# KiCad board poly_kb_wave_left2.kicad_pcb (continued)
## Routing (per net, layer and track width the routed paths; a pad name or vN(x,y) marks a point on that pad's centre or on a via; arc(x,y) is an arc through that point) (continued)
  Bottom w0.229: v3(159.27,101.75) 159.55,101.47 U10.27 ; v2(128.51,112.08) 128.51,106.82 128.49,106.8 130.59,104.7 144.19,104.7 v2(146.79,107.3)
  Bottom w0.3: v2(128.51,112.08) 128.51,112.92 D1_7.1 ; v2(129.39,93.03) 128.53,93.89 D1_14.1 ; v2(147.31,24.62) 147.6,25.41 D1_36.1 ; v2(131.16,51.37) 131.36,52.19 D1_28.1 ; D1_21.1 128.53,74.74 v2(129.29,73.98)
Col8: length 75.2
  In1.Cu w0.229: v2(154.55,56) 154.4,56 152.35,58.05 152.35,59.75 155.19,68.15 155.19,75.7 v2(156.39,76.9) 157.99,78.5 159.73,78.5 168.3,87.07 168.3,103.49 v3(168.01,103.78)
  In2.Cu w0.3: 155.4,54.35 155.4,55.15 v2(154.55,56) ; 155.4,54.35 155.4,54.71 ; 155.4,54.35 v2(155.4,45.28)
  Bottom w0.229: 165.87,105.35 166.5,105.35 167.34,106.18 167.72,106.18 168.09,105.82 168.09,103.85 v3(168.01,103.78) ; 165.87,105.35 166.1,105.35 ; 165.87,105.35 U10.5
  Bottom w0.3: D1_29.1 155.68,46.07 v2(155.4,45.28) ; v2(156.39,76.9) 156.39,78.25 D12.1
D-C: length 1069.4
  In1.Cu w0.3: 86.63,87.72 87.66,88.75 87.66,100.36 83.86,104.16 83.86,105 ; 86.63,87.72 85.82,86.91 ; 86.63,87.72 85.57,86.65 84.49,86.65 83.85,86.02 ; 83.85,47.92 86.56,47.92 ; 86.56,47.92 86.69,48.05 ; 86.56,47.92 87.49,48.85 87.49,50.83 87.66,51 87.66,61.99 83.86,65.79 83.86,66.9 ; 123.92,63.1 124.21,63.39 ; 123.92,63.1 122.84,63.1 121.95,62.21 ; 123.92,63.1 124.21,63.39 ; 124.21,63.39 125.76,64.94 125.76,76.41 121.96,80.21 121.96,81.18 ; 48.76,83.19 49.56,83.99 49.56,95.46 45.76,99.26 45.76,100.23 ; 48.76,83.19 47.72,82.15 ; 48.76,83.19 47.43,81.85 46.35,81.85 45.75,81.26 ; 105.35,65.95 106.71,67.32 106.71,79.51 102.91,83.31 102.91,83.56 ; 105.35,65.95 104.87,65.48 ; 105.35,65.95 104.87,65.48 ; 123.92,82.15 124.24,82.46 ; 124.24,82.46 123.81,82.03 122.72,82.03 121.95,81.26 ; 124.24,82.46 125.76,83.99 125.76,96.15 121.96,99.95 121.96,100.23 ; 102.9,102.69 103.79,103.58 104.87,103.58 ; 64.81,102.61 64.81,102.36 68.61,98.56 68.61,86.37 67.77,85.53 ; 102.9,121.74 103.79,122.63 111.27,122.63 113.4,120.5 121.89,120.5 ; 105.4,85.05 106.71,86.37 106.71,98.56 102.91,102.36 102.91,102.61 ; 105.4,85.05 104.87,84.53 ; 105.4,85.05 104.87,84.53 ; 85.82,105.96 86.88,107.02 ; 86.88,107.02 87.66,107.8 87.66,119.99 83.86,123.79 83.86,124.05 ; 86.88,107.02 85.57,105.7 84.49,105.7 83.85,105.07 ; 64.8,102.69 65.69,103.58 66.77,103.58 ; 67.77,85.53 66.77,84.53 ; 67.77,85.53 66.77,84.53 ; 104.87,103.58 105.55,104.25 ; 104.87,103.58 105.55,104.25 ; 105.55,104.25 106.71,105.42 106.71,117.61 102.91,121.41 102.91,121.66 ; 64.8,83.64 65.69,84.53 66.77,84.53 ; 64.81,121.66 64.81,121.41 68.61,117.61 68.61,105.42 67.57,104.38 ; 64.81,83.56 64.81,83.31 68.61,79.51 68.61,67.32 67.8,66.5 ; 45.76,81.18 45.76,80.16 49.56,76.36 49.56,64.94 48.59,63.96 ; v2(121.96,119.29) 121.96,120.44 121.89,120.5 ; 123.92,101.2 122.84,101.2 121.95,100.31 ; 123.92,101.2 124.24,101.51 ; 123.92,101.2 124.24,101.51 ; 141,100.31 141.89,101.2 142.97,101.2 ; 47.72,63.1 48.59,63.96 ; 48.59,63.96 47.51,62.88 46.42,62.88 45.75,62.21 ; v2(113.17,39.57) 106.71,46.03 106.71,60.46 102.91,64.26 102.91,64.51 ; 85.82,67.86 86.61,68.64 ; 86.61,68.64 85.57,67.6 84.49,67.6 83.85,66.97 ; 86.61,68.64 87.66,69.7 87.66,81.29 83.86,85.09 83.86,85.95 ; 67.57,104.38 66.77,103.58 ; 67.57,104.38 66.77,103.58 ; 143.54,82.71 144.81,83.99 v2(144.81,90.8) 144.81,96.18 141.01,99.98 141.01,100.23 ; 143.54,82.71 142.97,82.15 ; 143.54,82.71 142.97,82.15 ; 144.81,65.4 144.81,62.72 142.99,60.9 v2(142.99,56.2) ; 144.81,65.4 144.81,64.94 ; 144.81,65.4 144.81,77.13 141.01,80.93 141.01,81.18 ; v2(45.76,119.29) 45.24,119.8 39.09,119.8 38.49,119.2 33.69,119.2 32.65,120.25 22.83,120.25 21.94,119.36 ; 121.89,120.5 139.79,120.5 v2(141.01,119.29) ; 142.97,101.2 143.54,101.76 ; 142.97,101.2 143.54,101.76 ; 143.54,101.76 143.91,102.13 143.91,105.52 144.81,106.42 144.81,115.23 141.01,119.03 141.01,119.28 ; 23.91,101.2 25.31,102.59 ; 23.91,101.2 25.31,102.59 ; 23.91,101.2 22.83,101.2 21.94,100.31 ; 25.31,102.59 25.75,103.04 25.75,114.72 21.95,118.52 21.95,119.28 ; 121.96,119.28 121.96,119.03 125.76,115.23 125.76,103.04 124.24,101.51 ; 21.94,81.26 22.83,82.15 23.91,82.15 ; 45.76,62.13 45.76,61.28 49.56,57.48 49.56,45.89 48.64,44.96 48.64,44.35 47.29,43 45.84,43 v2(45.76,43.09) ; 23.91,63.1 24.66,63.84 ; 23.91,63.1 24.66,63.84 ; 23.91,63.1 22.83,63.1 21.94,62.21 ; 24.66,63.84 25.75,64.94 25.75,77.13 21.95,80.93 21.95,81.18 ; 104.87,65.48 103.79,65.48 102.9,64.59 ; 67.8,66.5 66.77,65.48 ; 67.8,66.5 66.77,65.48 ; 23.91,82.15 25.28,83.52 ; 23.91,82.15 25.28,83.52 ; 45.76,119.28 45.76,119.03 49.56,115.23 49.56,103.04 49.09,102.56 ; 25.28,83.52 25.75,83.99 25.75,96.18 21.95,99.98 21.95,100.23 ; 141,81.26 141.89,82.15 142.97,82.15 ; 66.77,65.48 65.69,65.48 64.8,64.59 ; 121.96,62.13 121.96,61.88 125.76,58.08 125.76,42.42 132.23,35.95 136.09,35.95 v2(137.26,34.78) 137.31,34.78 141.59,30.5 141.59,24.9 144.19,22.3 148.29,22.3 152.59,26.6 156.99,26.6 158.09,27.7 160.93,27.7 v2(161.52,27.12) 167.63,31.2 171.8,42.66 169.53,47.53 169.61,47.77 ; 21.95,62.13 25.75,58.33 25.75,43.76 v2(25.29,43.3) ; 64.79,122.5 69.69,122.5 71.24,124.05 v2(83.86,124.05) ; 64.79,122.5 58.19,122.5 55.94,120.25 46.64,120.25 45.75,119.36 ; 64.79,122.5 64.81,122.49 v2(64.81,121.67) ; 104.87,84.53 103.79,84.53 102.9,83.64 ; 64.8,45.54 67.23,45.54 68.61,46.92 68.61,60.46 64.81,64.26 64.81,64.51 ; 49.09,102.56 47.53,101 46.45,101 45.75,100.31 ; 49.09,102.56 47.72,101.2
  In2.Cu w0.3: DBG3.4 7.57,59.7 16.19,59.7 18.63,62.14 v2(21.94,62.14) ; v2(83.86,105) 83.86,103.94 85.39,102.4 90.49,102.4 92.39,100.5 98.29,100.5 100.41,102.62 v2(102.91,102.62)
  Bottom w0.229: v2(144.81,90.8) 150.72,90.8 153.15,88.37 167.93,88.37 168.85,89.28 168.85,97.63 168.44,98.03 168.44,101.73 167.23,102.95 U10.11
  Bottom w0.3: v2(83.86,105) 82.25,103.39 J11.10 ; v2(102.91,102.62) 101.3,101.01 J12.10 ; v2(64.81,102.62) 63.2,101.01 J10.10 ; v2(169.61,47.78) 167.55,46.82 J29.10 ; v2(141.01,81.19) 139.4,79.58 J21.10 ; v2(102.91,64.52) 101.3,62.91 J26.10 ; v2(45.76,100.24) 44.15,98.63 J9.10 ; v2(142.99,56.2) 142.99,54.01 143,54 J28.10 ; v2(83.86,66.9) 82.25,65.29 J25.10 ; J18.10 82.25,84.34 v2(83.86,85.95) ; J3.10 63.2,120.06 v2(64.81,121.67) ; v2(121.96,81.19) 120.35,79.58 J20.10 ; v2(45.76,81.19) 44.15,79.58 J16.10 ; v2(121.96,62.14) 120.35,60.53 J27.10 ; J4.10 82.25,122.44 v2(83.86,124.05) ; v2(21.94,100.24) 20.34,98.63 J8.10 ; v2(45.76,43.09) 44.15,41.48 J31.10 ; J34.10 113.4,35.8 113.4,39.34 v2(113.17,39.57) ; v2(45.76,119.29) 44.15,117.68 J2.10 ; J19.10 101.3,81.96 v2(102.91,83.57) ; J14.10 139.4,98.63 v2(141.01,100.24) ; J24.10 63.2,62.91 v2(64.81,64.52) ; v2(21.94,119.29) 20.34,117.68 J1.10 ; J13.10 120.35,98.63 v2(121.96,100.24) ; J17.10 63.2,81.96 v2(64.81,83.57) ; J23.10 44.15,60.53 v2(45.76,62.14) ; v2(83.86,47.85) 82.25,46.24 82.25,44.07 ; J32.10 63.2,43.86 v2(64.81,45.47) ; J5.10 101.3,120.06 v2(102.91,121.67) ; v2(141.01,119.29) 139.4,117.68 J7.10 ; v2(121.96,119.29) 120.35,117.68 J6.10 ; v2(25.29,43.3) 25.1,43.11 J30.10 ; J15.10 20.34,79.58 v2(21.94,81.19) ; v2(21.94,62.14) 20.34,60.53 J22.10 ; J36.10 159.46,26.15 v2(161.52,27.12) ; v2(137.26,34.78) 137.29,34.75 137.29,32.3 J35.10
ENC_A: length 50.7
  Top w0.229: SW1.A 157.65,69.15 155.59,71.2 155.59,104.27 v2(156.09,104.77)
  Bottom w0.229: v2(156.09,104.77) 156.27,104.95 U10.37
  Bottom w0.3: SW1.A 159.29,66.72 159.29,63.2 157.3,61.2 SW1.A
ENC_B: length 44.8
  Top w0.229: SW1.B 155.09,67.67 155.09,106.69 v2(155.07,106.72)
  Bottom w0.229: U10.41 155.24,106.55 v2(155.07,106.72)
I2C_SCL: length 63.5
  Top w0.229: J39.18 167.45,87.05 v2(167.09,86.7) 167.09,83.2 v2(167.79,82.5)
  In2.Cu w0.229: v2(167.79,82.5) 160.09,74.8 153.89,74.8 150.09,71 150.09,67.6 151.49,66.2 J38.3
  Bottom w0.229: v2(167.09,86.7) 167.35,86.44 168.26,86.44 169.23,87.41 169.23,97.79 168.82,98.19 168.82,105.9 167.98,106.75 166.49,106.75 165.89,106.15 U10.3
  Bottom w0.3: J37.9 v2(167.79,82.5)
I2C_SDA: length 64
  Top w0.229: v2(170.12,85.81) 169.69,85.81 ; 169.69,85.81 169.69,85.4 v2(167.79,83.5) ; 169.69,85.81 168.45,87.06 J39.20 J39.19
  In2.Cu w0.229: J38.4 151.29,70.15 151.29,71.66 153.08,73.45 160.04,73.45 168.39,81.8 168.39,82.9 v2(167.79,83.5)
  Bottom w0.229: U10.2 165.72,106.55 166.3,107.13 168.28,107.13 169.21,106.21 169.21,98.35 169.61,97.95 169.61,86.65 R4.2 169.49,86.44 v2(170.12,85.81)
  Bottom w0.3: v2(167.79,83.5) 167.29,83 J37.10
LED_ARR_START: length 34.7
  Top w0.229: 139.61,117.32 139.94,116.99 v2(147.89,116.99)
  In1.Cu w0.229: v2(147.89,116.99) 147.95,116.99 151.32,113.63 154.79,113.63 156.66,111.76 161.85,111.76 162.1,111.51 163.3,111.51 163.65,111.16 163.65,110.75 164.44,109.96 164.85,109.96 166.69,108.12 166.69,106.28 v3(166.72,106.25)
  Bottom w0.229: v3(166.72,106.25) 166.21,105.75 U10.4
RESET: length 1103.9
  Top w0.229: 165.45,87.93 J39.14 165.49,87.98 v3(165.49,88.9)
  Top w0.254: v2(30.09,115.4) 30.09,114.46
  Top w0.3: 80.43,81.76 80.43,81.47 ; 80.43,81.76 80.43,83.67 80.87,84.1 v2(81.3,84.1) ; 80.43,81.76 80.43,81.13 ; 118.53,114.46 110.68,114.46 108.29,116.84 99.48,116.84 ; 118.53,114.46 118.53,115.1 ; 118.53,114.46 127.79,114.46 ; 118.53,57.31 107.08,57.31 104.49,59.9 87.57,59.9 85.17,62.3 80.99,62.3 ; 118.53,57.31 131.48,57.31 v2(131.49,57.3) 132.59,57.3 138.33,51.57 140.54,51.57 ; 118.53,57.31 118.53,57.95 ; 99.48,117.48 99.48,117.19 ; 99.48,117.48 99.48,119.38 100.17,120.07 v2(100.48,120.07) ; 99.48,117.48 99.48,116.84 ; 18.51,57.66 18.51,58.3 ; 18.51,57.66 18.51,58.3 ; 18.51,57.66 18.36,57.5 17.29,57.5 ; 140.54,51.57 149.89,49.32 157.69,46.98 164.39,44.54 164.65,44.54 164.85,44.74 165.6,46.8 165.91,47.11 v2(166.78,47.11) ; 140.54,51.57 140.69,52.19 ; 80.43,100.18 80.55,100.3 85.57,100.3 87.87,98 105.19,98 107.78,95.41 118.53,95.41 ; 80.43,100.18 80.43,100.81 ; 80.43,100.18 72.67,100.18 70.39,97.9 61.49,97.9 61.38,97.79 ; 19.45,95.86 18.51,96.8 18.51,97.95 19.2,98.64 v2(19.52,98.64) ; 19.45,95.86 19.6,95.71 42.31,95.71 42.33,95.73 ; 19.45,95.86 19.58,95.74 ; v2(127.79,110) 127.79,114.46 ; 127.79,114.46 137.23,114.46 137.58,114.81 ; v2(119.42,60.3) 118.98,60.3 118.53,59.85 118.53,57.95 ; 137.58,96.05 137.58,95.75 ; 137.58,96.05 137.58,95.41 ; 137.58,96.05 137.58,97.88 v2(138.34,98.64) ; 61.38,79.38 61.38,78.74 ; 61.38,79.38 61.38,79.09 ; 61.38,79.38 61.38,81.28 62.07,81.97 v2(62.38,81.97) ; 61.38,78.74 73.51,78.74 75.89,81.13 80.43,81.13 ; 61.38,78.74 56.94,78.74 54.79,76.6 38.19,76.6 33.85,72.25 28.04,72.25 v2(27.74,72.55) 23.69,76.6 18.62,76.6 18.51,76.7 18.51,78.9 19.16,79.55 v2(19.52,79.55) ; 79.59,62.3 80.2,62.3 ; 79.59,62.3 75.29,62.3 72.69,59.69 61.38,59.69 ; 79.59,62.3 80.99,62.3 ; 118.53,77 118.53,78.9 118.98,79.35 v2(119.39,79.35) ; 118.53,77 118.53,76.7 ; 118.53,77 118.53,76.36 ; 51.68,96.16 51.23,95.71 42.34,95.71 42.33,95.73 ; 69.09,40.8 61.54,40.8 61.38,40.64 ; 69.09,40.8 70.84,40.8 ; 69.09,40.8 72.87,40.8 75.09,43.03 80.43,43.03 ; v2(62.38,101.02) 62.07,101.02 61.38,100.33 61.38,98.43 ; v2(62.38,62.92) 62.07,62.92 61.38,62.23 61.38,60.33 ; 18.51,58.3 18.51,59.85 19.15,60.49 v2(19.52,60.49) ; 137.58,76.7 137.23,76.36 v2(130.29,76.36) 118.53,76.36 ; 137.58,76.7 137.58,77.2 ; 137.58,76.7 137.58,77.2 ; 61.38,117.48 61.38,119.38 62.07,120.07 v2(62.38,120.07) ; 61.38,117.48 61.38,117.19 ; 61.38,117.48 61.38,116.84 ; 80.43,119.23 90.05,119.23 92.43,116.84 99.48,116.84 ; 80.43,119.23 75.19,119.23 72.81,116.84 61.38,116.84 ; 80.43,119.23 80.43,119.86 ; 134.98,30.48 134.83,29.86 ; 134.98,30.48 135.43,32.33 135.55,32.45 v2(136.4,32.45) ; 134.98,30.48 134.91,30.19 ; 134.83,29.86 127.55,31.61 120.95,32.62 111.37,33.46 ; 134.83,29.86 144.19,27.61 149.61,26.32 156.65,23.75 156.86,24.35 ; 61.38,97.79 53.31,97.79 51.26,95.74 ; 61.38,97.79 61.38,98.43 ; v2(142.05,54.18) 141.27,54.18 141.13,54.04 140.69,52.19 ; 17.29,57.5 12.69,57.5 v2(11.69,56.5) ; 17.29,57.5 53.9,57.5 56.09,59.69 61.38,59.69 ; 80.43,100.81 80.43,102.72 80.81,103.1 v2(81.3,103.1) ; 80.43,100.81 80.43,100.52 ; 118.53,115.1 118.53,114.81 ; 118.53,115.1 118.53,117 118.85,117.33 v2(119.37,117.33) ; 80.43,62.42 80.43,64.62 80.79,64.98 v2(81.3,64.98) ; 95.91,33.48 111.09,33.48 111.37,33.46 ; 95.91,33.48 95.91,25.22 91.94,21.25 v2(90.69,21.25) v2(80.99,21.25) ; 95.91,33.48 86.29,43.1 80.5,43.1 80.43,43.03 ; 42.33,38.6 42.33,40.8 43.02,41.49 v2(43.33,41.49) ; 140.69,52.19 140.62,51.9 ; 61.38,60.33 61.38,59.69 ; 61.38,60.33 61.38,60.04 ; v2(62.38,43.87) 62.07,43.87 61.38,43.18 61.38,41.28 ; 80.43,43.66 80.43,43.37 ; 80.43,43.66 80.43,43.03 ; 80.43,43.66 80.43,45.57 v2(81.12,46.26) ; 118.53,76.36 106.83,76.36 104.29,78.9 87.82,78.9 85.42,81.3 80.6,81.3 80.43,81.13 ; 42.33,57.66 42.33,59.85 42.79,60.32 v2(43.22,60.32) ; v2(43.27,117.43) 42.75,117.43 42.33,117 42.33,115.1 ; v2(147.49,95.4) 147.48,95.41 137.58,95.41 ; 118.53,96.05 118.53,95.41 ; 118.53,96.05 118.53,97.95 118.93,98.35 v2(119.42,98.35) ; 118.53,96.05 118.53,95.75 ; 118.53,95.41 128.3,95.41 v2(129.19,96.3) 130.08,95.41 137.58,95.41 ; 111.42,34.09 111.59,35.99 111.85,36.25 v2(112.47,36.25) ; 111.42,34.09 111.37,33.46 ; 111.42,34.09 111.4,33.8 ; 61.38,116.84 56.39,116.84 54.25,114.7 43.53,114.7 43.29,114.46 42.33,114.46 ; v2(43.2,79.28) 42.7,79.28 42.33,78.9 42.33,76.7 ; v2(100.48,81.97) 100.17,81.97 99.48,81.28 99.48,79.09 ; 42.33,114.46 19.35,114.46 18.51,115.3 18.51,117 18.91,117.4 v2(19.4,117.4) ; 42.33,114.46 42.33,115.1 ; 137.58,115.3 137.58,117 138.08,117.5 v2(138.37,117.5) ; 137.58,115.3 137.58,114.81 ; 137.58,115.3 137.58,114.81 ; 80.99,62.3 80.65,62.3 ; 42.33,95.73 42.33,97.95 42.78,98.4 v2(43.17,98.4) ; 137.58,77.2 137.58,78.9 v2(138.27,79.59) ; 61.38,41.28 61.38,40.99 ; 61.38,41.28 61.38,40.64 ; 118.53,57.95 118.53,57.66 ; v2(100.48,62.92) 100.17,62.92 99.48,62.23 99.48,60.04 ; 61.38,40.64 53.83,40.64 51.69,38.5 23.49,38.5 23.28,38.72 23.28,39.1 ; 80.43,119.86 80.43,121.77 81.12,122.46 v2(81.43,122.46) ; 80.43,119.86 80.43,119.57 ; 31.14,95.71 31.09,95.66 v2(31.09,88.8) ; 156.86,24.35 156.76,24.07 ; 156.86,24.35 157.52,26.14 158.4,26.55 v2(158.7,26.45) ; 42.33,115.1 42.33,114.81 ; 61.38,98.43 61.38,98.14 ; 23.28,38.9 23.28,39.1 ; 23.28,39.1 23.28,40.8 23.97,41.49 v2(24.28,41.49) ; v2(100.35,101.02) 100.17,101.02 99.48,100.33 99.48,98.14
  In1.Cu w0.3: v2(131.49,57.3) 130.29,58.5 v2(130.29,76.36) 130.29,93 129.89,93.4 129.89,95.6 v2(129.19,96.3) ; v2(24.28,41.49) 23.08,41.49 21.89,40.3 16.69,40.3 14.79,38.4 7.59,38.4 4.49,41.5 4.49,54.09 DBG3.5
  In2.Cu w0.254: v2(30.39,108.9) 30.39,115.1 v2(30.09,115.4)
  In2.Cu w0.3: DBG3.5 9.24,57.06 9.79,56.5 v2(11.69,56.5)
  Bottom w0.229: v2(147.49,95.4) 147.49,94.56 153.16,88.9 v3(165.49,88.9) 165.54,88.95 167.74,88.95 168.41,89.62 168.41,97.53 168.06,97.88 168.06,101.44 166.96,102.55 U10.12
  Bottom w0.254: v2(30.39,108.9) 30.79,108.5 30.79,108 31.41,107.39 U4.10 ; v2(27.74,72.55) 31.41,68.89 U6.10 ; 31.45,87 31.45,87.25 ; 31.45,87 31.45,88.45 v2(31.09,88.8) ; 31.45,87 U5.10
  Bottom w0.3: J9.9 43.65,97.93 v2(43.17,98.4) ; v2(138.37,117.5) 138.9,116.98 J7.9 ; v2(43.33,41.49) 43.65,41.18 J31.9 ; v2(119.37,117.33) 119.85,116.85 J6.9 ; v2(90.69,21.25) 90.51,21.44 U8.10 ; J21.9 138.9,78.96 v2(138.27,79.59) ; v2(62.38,101.02) 62.7,100.71 J10.9 ; v2(119.39,79.35) 119.85,78.9 J20.9 ; v2(81.3,103.1) 81.75,102.65 J11.9 ; v2(136.4,32.45) 136.53,32.32 136.53,31.44 136.52,31.42 136.36,30.77 J35.9 ; J19.9 100.8,81.66 v2(100.48,81.97) ; v2(127.79,110) 127.79,106.86 130.39,104.26 130.39,101.9 129.19,100.7 v2(129.19,96.3) ; J12.9 100.8,100.58 v2(100.35,101.02) ; J23.9 43.65,59.89 v2(43.22,60.32) ; J15.9 19.84,79.23 v2(19.52,79.55) ; v2(119.42,60.3) 119.85,59.88 J27.9 ; J34.9 112.77,35.95 v2(112.47,36.25) ; J28.9 142.07,52.48 142.22,53.13 142.24,53.15 142.24,53.99 v2(142.05,54.18) ; J1.9 19.84,116.97 v2(19.4,117.4) ; J2.9 43.65,117.05 v2(43.27,117.43) ; J29.9 166.33,45.08 166.6,45.82 166.63,45.85 166.63,46.96 v2(166.78,47.11) ; v2(24.28,41.49) 24.6,41.18 J30.9 ; J24.9 62.7,62.61 v2(62.38,62.92) ; v2(81.3,84.1) 81.75,83.65 J18.9 ; J13.9 119.85,97.92 v2(119.42,98.35) ; J17.9 62.7,81.66 v2(62.38,81.97) ; v2(62.38,43.87) 62.7,43.56 J32.9 ; v2(81.3,64.98) 81.75,64.53 J25.9 ; J26.9 100.8,62.61 v2(100.48,62.92) ; 81.75,44.07 81.75,45.62 v2(81.12,46.26) ; v2(138.34,98.64) 138.9,98.09 J14.9 ; J5.9 100.8,119.76 v2(100.48,120.07) ; J22.9 19.84,60.17 v2(19.52,60.49) ; J36.9 158.89,26.04 v2(158.7,26.45) ; U7.10 80.42,21.78 80.94,21.25 v2(80.99,21.25) ; J4.9 81.75,122.14 v2(81.43,122.46) ; J16.9 43.65,78.83 v2(43.2,79.28) ; v2(62.38,120.07) 62.7,119.76 J3.9 ; v2(19.52,98.64) 19.84,98.33 J8.9
Row1: length 159.4
  Top w0.229: v2(150.89,108) 151.19,107.7 155.45,107.7 157.52,105.63 157.52,101.77 v2(158.29,101)
  Bottom w0.229: SW_K_7.1 144.48,112.62 149.1,108 v2(150.89,108) ; U10.29 158.31,101.02 v2(158.29,101)
  Bottom w0.3: SW_K_7.1 144.44,112.43 142.4,110.4 138.21,110.4 135.42,113.19 132.5,113.19 131.99,113.7 126.47,113.7 SW_K_6.1 125.39,112.43 123.35,110.4 119.16,110.4 116.37,113.19 113.45,113.19 111.64,115 SW_K_5.1 106.34,114.82 104.3,112.78 100.11,112.78 97.32,115.57 94.69,115.57 ; 94.69,115.57 89.1,115.57 SW_K_4.1 87.29,117.2 85.25,115.16 81.06,115.16 78.27,117.96 72.45,117.96 70.7,116.21 69.44,116.21 SW_K_3.1 68.24,114.82 66.2,112.78 62.01,112.78 59.22,115.57 53.72,115.57 50.76,112.62 SW_K_2.1 49.19,112.43 47.15,110.4 42.96,110.4 40.17,113.19 37.25,113.19 36.74,113.7 26.45,113.7 SW_K_1.1 ; 94.69,115.57 94.4,115.57
Row2: length 158.4
  Bottom w0.229: U10.30 155.34,102.15 149.17,95.97 147.26,95.97 146.91,95.63 146.91,94.65 147.11,94.45 147.11,93.69 147.36,93.44 147.36,92.87 147.03,92.53 145.48,92.53 SW_K_14.1
  Bottom w0.3: SW_K_8.1 25.84,93.1 30.79,93.1 32.34,94.65 36.74,94.65 37.25,94.14 40.17,94.14 42.96,91.35 47.15,91.35 49.19,93.38 SW_K_9.1 50.76,93.57 52.49,95.3 54.67,95.3 55.89,96.52 59.22,96.52 62.01,93.73 66.2,93.73 68.24,95.77 SW_K_10.1 70.54,95.95 72.19,97.6 73.89,97.6 75.19,98.91 78.27,98.91 81.06,96.11 85.25,96.11 87.29,98.15 SW_K_11.1 88.59,97.03 93.89,97.03 94.4,96.52 97.32,96.52 100.11,93.73 104.3,93.73 106.34,95.77 SW_K_12.1 107.64,94.65 112.94,94.65 113.45,94.14 116.37,94.14 119.16,91.35 123.35,91.35 125.39,93.38 SW_K_13.1 126.47,94.65 131.99,94.65 132.5,94.14 135.42,94.14 138.21,91.35 142.4,91.35 144.44,93.38 SW_K_14.1
Row3: length 202.4
  Top w0.229: v2(149.59,72.78) 149.59,73.5 152.79,76.7 152.79,84.4 ; 152.79,85.9 152.79,84.4 ; 152.79,84.4 152.79,96.5 152.89,96.6 v2(152.89,100.5)
  Top w0.3: v2(40.82,74.53) 37.12,74.53 34.39,71.8 24.69,71.8 v2(23.77,72.73)
  Bottom w0.229: v2(152.89,100.5) 153.42,101.03 153.43,101.03 154.94,102.55 U10.31 ; v2(149.59,72.78) 146.77,75.6 145.52,75.6 SW_K_21.1
  Bottom w0.3: 26.68,73.22 SW_K_15.1 25.38,74.33 23.34,72.3 19.15,72.3 16.36,75.09 13.43,75.09 12.93,75.6 ; 43.49,72.3 43,72.3 40.82,74.47 v2(40.82,74.53) ; 43.49,72.3 47.15,72.3 49.19,74.33 SW_K_16.1 50.41,73.3 51.75,73.3 52.81,74.36 52.81,75.91 53.1,76.2 54.92,76.2 56.19,77.47 59.22,77.47 62.01,74.68 65.99,74.68 68.21,76.9 SW_K_17.1 69.81,76.9 71.3,78.39 73.73,78.39 75.19,79.86 78.27,79.86 81.06,77.06 85.25,77.06 87.29,79.1 SW_K_18.1 88.59,77.98 93.89,77.98 94.4,77.47 97.32,77.47 100.11,74.68 104.3,74.68 106.34,76.72 SW_K_19.1 107.64,75.6 112.94,75.6 113.45,75.09 116.37,75.09 119.16,72.3 123.35,72.3 125.39,74.33 SW_K_20.1 126.47,75.6 131.99,75.6 132.5,75.09 135.42,75.09 138.21,72.3 142.4,72.3 144.44,74.33 SW_K_21.1 ; 43.49,72.3 42.96,72.3
Row4: length 253
  Top w0.229: v2(153.19,76) 153.29,76.1 153.29,99.7 153.49,99.9 v2(153.49,102.1)
  Top w0.3: v2(168.19,48.4) 169.66,49.87 SW1.S1
  In1.Cu w0.3: v2(168.19,48.4) 166.09,48.4 165.19,47.5 162.39,47.5 161.69,48.2 v2(149.69,48.2)
  Bottom w0.229: v2(153.19,76) 153.19,75.68 SW1.S1 157.12,71.17 161.69,66.6 161.69,60.9 164.59,58 164.59,53.1 165.69,52 168.29,52 169.66,53.37 SW1.S1 ; v2(153.49,102.1) 153.8,102.1 154.64,102.95 U10.32
  Bottom w0.3: 12.93,56.55 13.43,56.04 16.36,56.04 19.15,53.25 23.34,53.25 25.38,55.28 SW_K_22.1 25.51,55.6 39.29,55.6 ; 39.73,55.6 39.29,55.6 ; 39.29,55.6 40.61,55.6 42.96,53.25 47.15,53.25 49.19,55.28 SW_K_23.1 50.28,56.57 51.86,56.57 53.72,58.42 59.22,58.42 62.01,55.63 66.2,55.63 68.24,57.67 SW_K_24.1 68.35,57.85 69.6,59.11 71.07,59.11 72.77,60.81 78.27,60.81 81.06,58.01 85.25,58.01 87.29,60.05 87.29,60.23 88.59,58.93 93.89,58.93 94.4,58.42 97.32,58.42 100.11,55.63 104.3,55.63 106.34,57.67 SW_K_26.1 107.64,56.55 112.94,56.55 113.45,56.04 116.37,56.04 119.16,53.25 123.35,53.25 125.39,55.28 SW_K_27.1 126.69,54.17 134.93,52.13 135.3,51.52 138.14,50.84 140.21,47.47 144.28,46.49 146.74,48 SW_K_28.1 149.67,48.18 v2(149.69,48.2)
Row5: length 275.9
  Top w0.229: v2(154.09,103.2) 154.29,103 154.29,75.06 149.24,70 149.24,63.51 147.97,62.25 147.97,60.22 v2(152.59,55.6)
  Bottom w0.229: v2(154.09,103.2) 154.33,103.44 156.65,103.44 156.95,103.75 U10.34
  Bottom w0.3: 37.99,36.99 40.17,36.99 42.96,34.2 47.15,34.2 49.19,36.23 SW_K_31.1 49.42,36.42 50.57,37.58 51.92,37.58 53.72,39.37 59.22,39.37 62.01,36.58 66.2,36.58 68.24,38.62 SW_K_32.1 70.47,38.8 73.42,41.76 78.27,41.76 81.06,38.96 85.25,38.96 87.29,41 SW_K_33.1 87.29,39.01 92.93,33.37 105.55,33.37 105.73,33.19 106.19,32.64 109.1,32.38 111.64,29.36 115.82,28.99 118.02,30.84 SW_K_34.1 125.29,31.4 129.22,30.42 129.6,29.81 132.44,29.13 134.5,25.76 138.58,24.78 141.03,26.29 SW_K_35.1 147.48,26.26 151.14,24.95 151.44,24.3 154.18,23.3 155.85,19.72 159.79,18.28 162.4,19.5 SW_K_36.1 166.89,19.7 171.59,32.5 171.33,38.67 SW_K_29.1 174.63,40.34 176.19,41.9 176.19,47.2 174.64,48.75 v2(152.59,55.6) ; 37.99,36.99 37.25,36.99 ; 37.99,36.99 30.71,36.99 SW_K_30.1
SCLK_RAW: length 229.6
  In1.Cu w0.254: 56.89,123.5 68.29,123.5 70.09,125.3 70.89,125.3 ; 56.89,123.5 53.89,123.5 ; 56.89,123.5 v2(56.89,123.7) ; v2(71.39,125.5) 71.19,125.3 70.89,125.3 ; 19.69,122 18.09,122 9.09,113 v2(9.09,107.8) ; 19.69,122 19.29,122 ; 19.69,122 31.39,122 ; 70.89,125.3 85.79,125.3 91.39,119.71 94.53,119.71 99.42,124.6 114.09,124.6 114.59,124.1 v2(124.59,124.1) 148.52,124.1 v2(150.96,121.67) ; 31.39,122 31.09,122 ; 31.39,122 51.69,122 53.19,123.5 53.89,123.5 ; 53.89,123.5 53.59,123.5
  Bottom w0.254: U13.2 31.91,120.8 30.99,121.72 v2(30.99,122.1) ; 152.99,117.63 152.72,117.9 152.72,119.48 150.5,121.7 150.5,121.98 150.33,122.15 U25.2 ; U21.2 106.71,123.95 106.09,124.57 v2(106.09,124.7) ; U17.2 55.69,122.5 v2(56.89,123.7) ; DBG3.2 5.49,66.65 5.49,79.75 6.64,80.9 6.64,89.6 5.49,90.75 5.49,107.44 5.86,107.8 U15.2 v2(9.09,107.8) ; U19.2 72.04,124.85 v2(71.39,125.5) ; U23.2 125.16,121.9 124.59,122.47 v2(124.59,124.1)
SDIN_RAW: length 221.5
  In1.Cu w0.254: 71.69,124.9 70.26,124.9 68.46,123.1 53.79,123.1 v2(52.19,121.5) 29.79,121.5 ; 71.69,124.9 85.4,124.9 90.99,119.3 94.89,119.3 99.69,124.1 111.99,124.1 113.89,122.2 131.99,122.2 ; 71.69,124.9 71.29,124.9 ; 29.79,121.5 18.19,121.5 10.99,114.3 10.99,106.7 5.79,101.5 5.79,63.81 DBG3.3 ; 29.79,121.5 29.59,121.5 ; v2(131.99,122.4) 131.99,122.2 ; 131.99,122.2 147.29,122.2 148.89,120.6 v2(148.89,119.4) ; 69.48,124.12 v2(69.79,123.8)
  Bottom w0.254: U18.2 113.27,124.8 113.69,124.38 v2(113.69,122.4) 113.19,121.9 U20.2 ; v2(131.99,122.4) 131.49,121.9 U22.2 ; U12.2 52.14,121.55 v2(52.19,121.5) ; v2(69.79,123.8) 69.84,123.85 U16.2 ; U14.2 29.69,120.8 v2(30.29,121.4) ; U24.2 146.99,122.15 147.18,121.96 147.18,120.02 147.79,119.4 v2(148.89,119.4) 150.19,118.1 150.19,117.63
SERIAL_COM1: length 47.4
  In1.Cu w0.229: v2(177.09,73.6) 177.02,73.53 171.45,73.53 169.12,75.86 169.12,104.27 167.72,105.68 v3(167.53,105.68)
  Bottom w0.229: v3(167.53,105.68) 167.47,105.68 166.73,104.95 U10.6
  Bottom w0.3: 176.23,72.3 USB2.6 ; 176.23,72.3 176.89,72.3 177.29,72.7 177.29,73.4 v2(177.09,73.6) ; 176.23,72.3 176.28,72.24 176.28,71.3 176.28,71.3 USB2.8
SERIAL_COM2: length 45.6
  In1.Cu w0.229: v2(176.51,72.9) 176.31,73.1 171.29,73.1 168.69,75.7 168.69,103.96 v3(167.57,105.08)
  Bottom w0.229: v3(167.57,105.08) 167.04,104.55 U10.7
  Bottom w0.3: USB2.7 174.45,71.8 174.23,72.02 174.23,72.79 174.23,72.8 USB2.5 176.4,72.8 v2(176.51,72.9)
SR_CLOCK: length 377
  In1.Cu w0.229: v2(90.09,20.63) 90.07,20.65 v2(79.99,20.65) 75.84,20.65 72.41,24.08 35.46,24.08 31.64,27.9 31.64,42.06 32.62,43.04 v2(32.62,66.21) ; v2(32.62,66.21) 32.62,69.8 37.34,74.52 37.34,79.38 35.09,81.63 35.09,84.01 v2(33.29,85.8) ; v2(32.62,66.21) 32.54,66.28
  In2.Cu w0.229: v2(24.74,85.45) 28.29,81.9 32.69,81.9 34.14,83.35 34.14,84.95 v2(33.29,85.8) 32.17,86.92 32.17,92.95 32.94,93.71 32.94,106.49 31.66,107.77 v2(31.66,108.56) 31.66,118.2 34.66,121.2 49.09,121.2 52.65,124.75 70.19,124.75 70.56,124.38 81.58,124.38 83.96,122 85.49,122 89.27,118.22 94.35,118.22 99.43,123.3 111.49,123.3 112.99,121.8 148.49,121.8 v2(150.79,119.5)
  Bottom w0.229: v2(33.29,85.8) 31.45,85.8 U5.11 ; U4.11 31.89,104.99 32.09,105.2 32.09,107.26 31.66,107.69 v2(31.66,108.56) ; U10.39 153.15,105.75 152.89,106 ; 152.89,106 152.69,106.2 ; 152.89,106 152.59,106.3 152.59,112.2 151.79,113 151.79,118.68 150.97,119.5 v2(150.79,119.5)
  Bottom w0.254: v2(79.99,20.65) 79.92,20.73 U7.11 ; v2(90.09,20.63) 90.01,20.72 U8.11
  Bottom w0.3: v2(32.62,66.21) 32.58,66.17 U6.11 ; DBG3.6 9.09,56.15 9.09,68.5 7.46,70.13 7.46,79.92 13,85.45 v2(24.74,85.45)
